# Altium PCB Thunder-Refix.PcbDoc
Units mil, origin at the board's own origin, x right, y up, seen from the top; angles counter-clockwise.
Board outline 1529.4 x 1293.18 mil, 2 copper layers (Top Layer, Bottom Layer), stack 42.17 mil thick; 67 components, 69 nets, 309 pads, 73 vias.
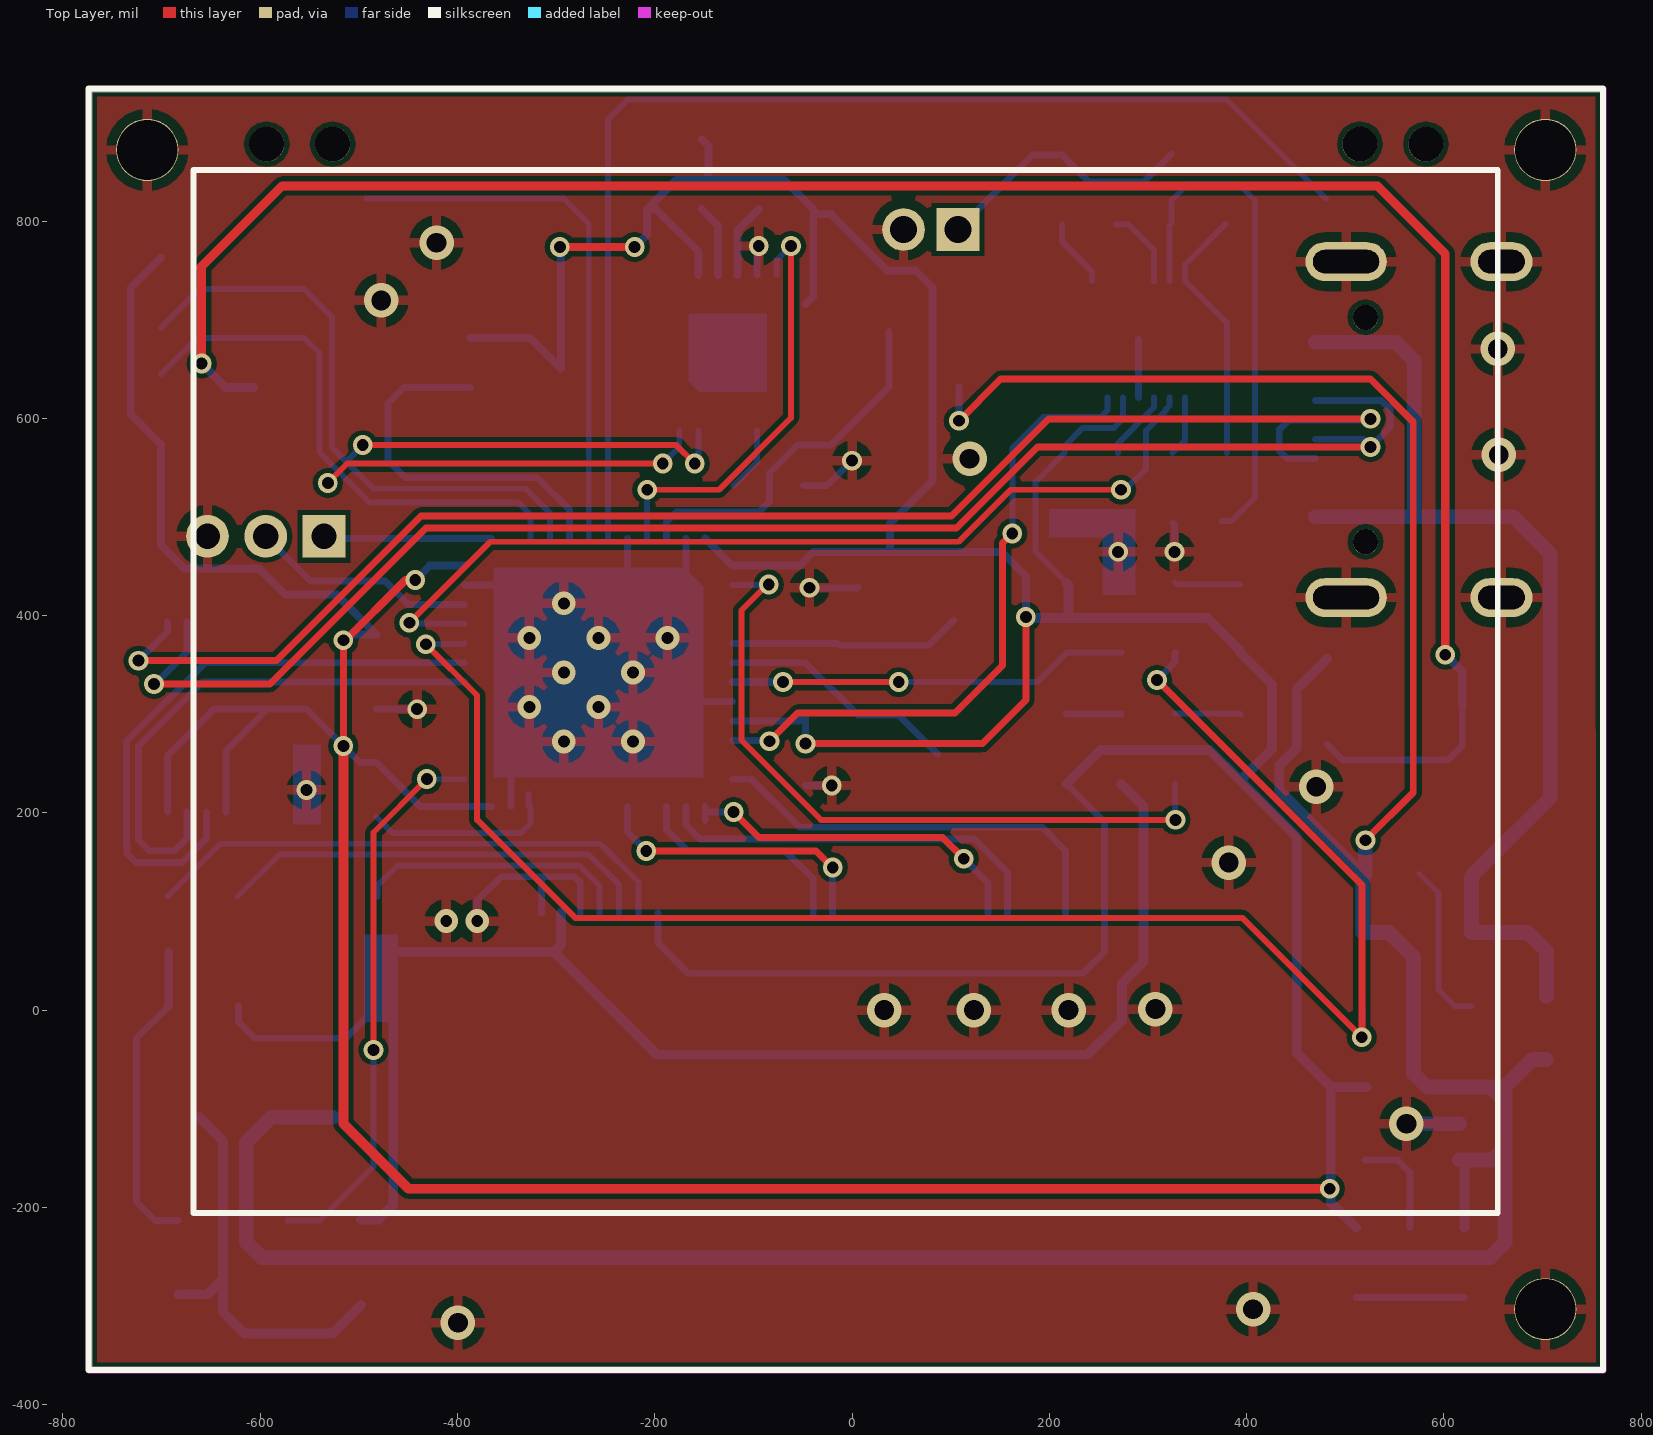
[diagram p0: Top Layer view]
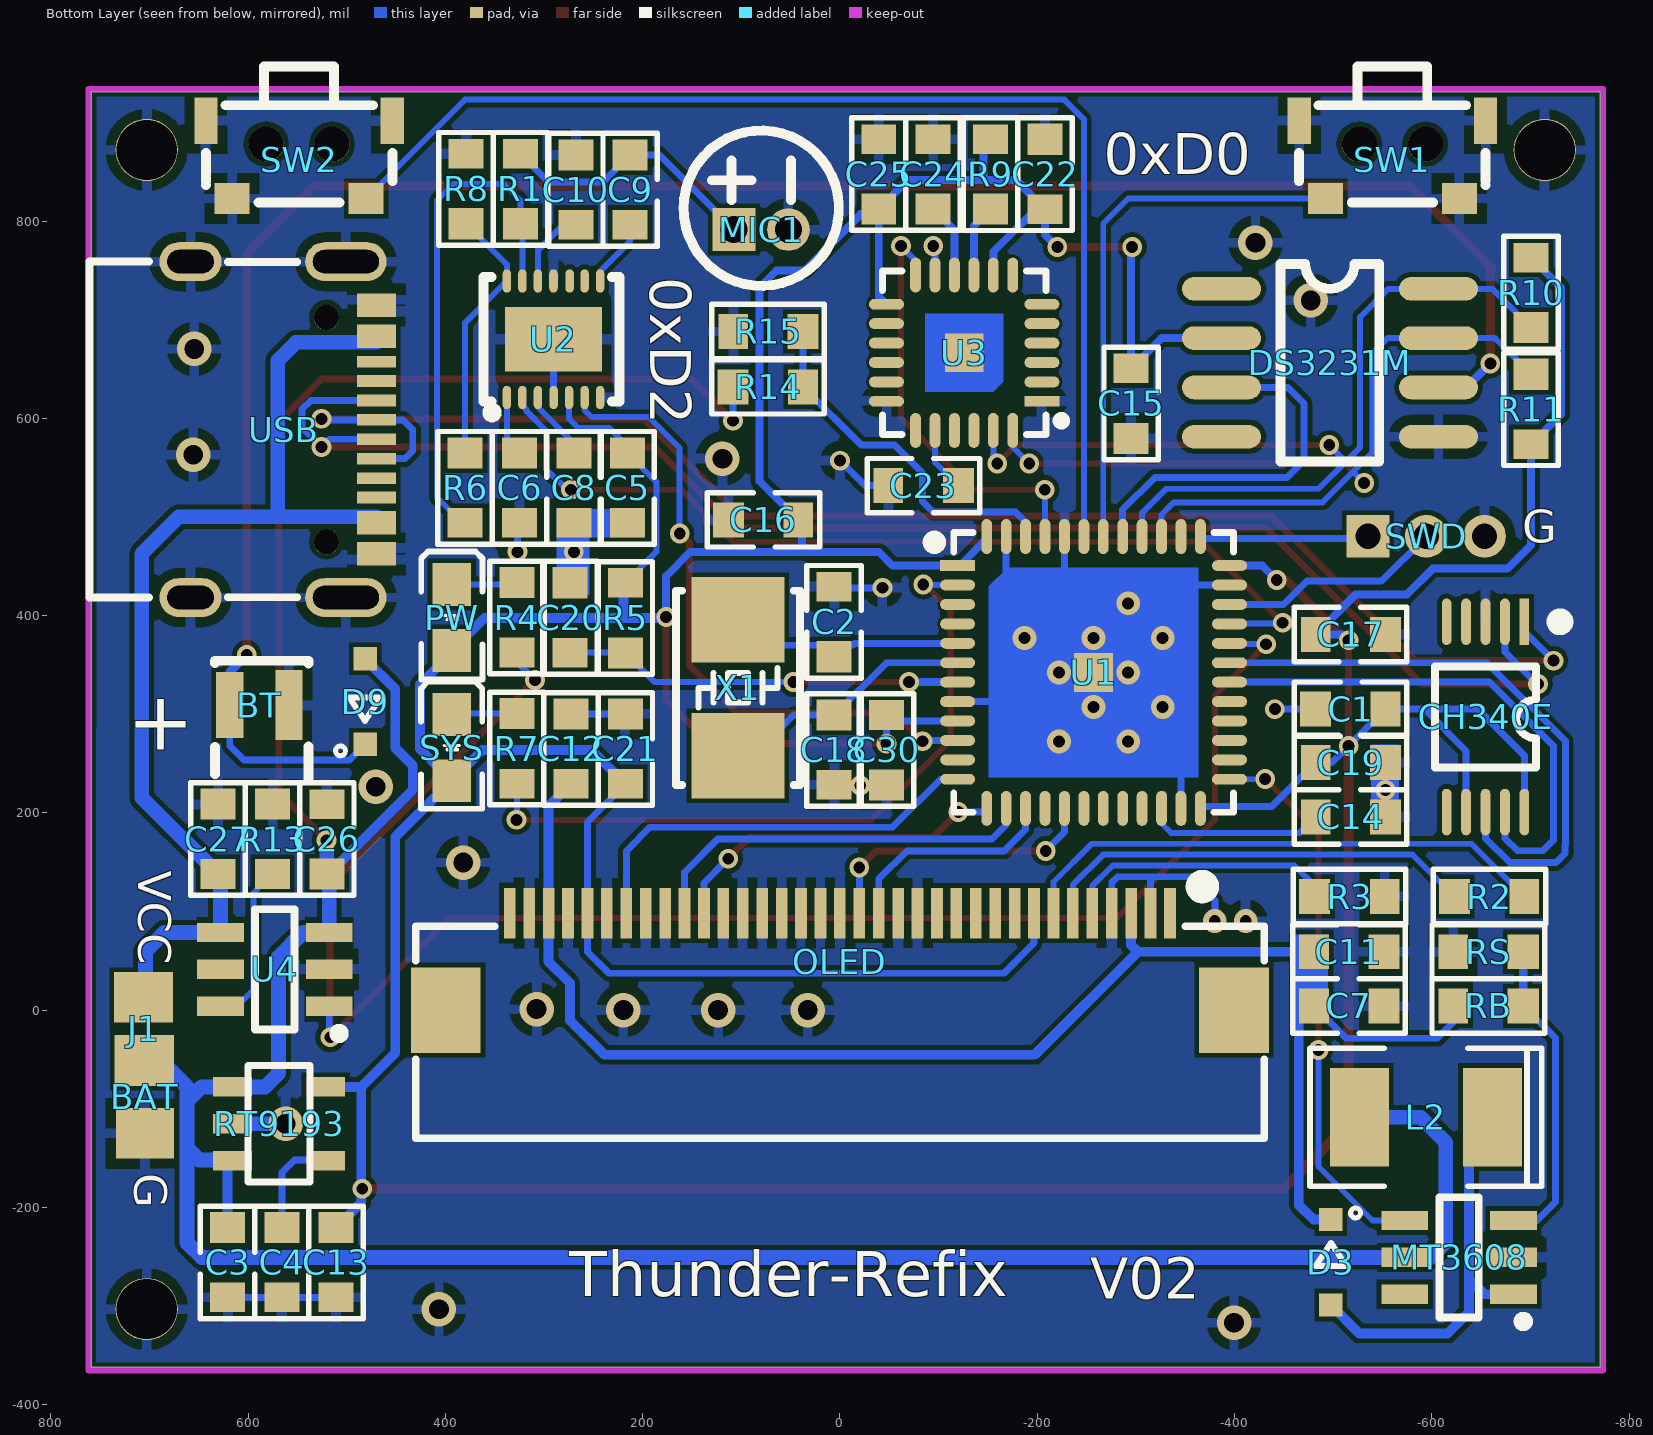
[diagram p1: Bottom Layer view, seen from below]
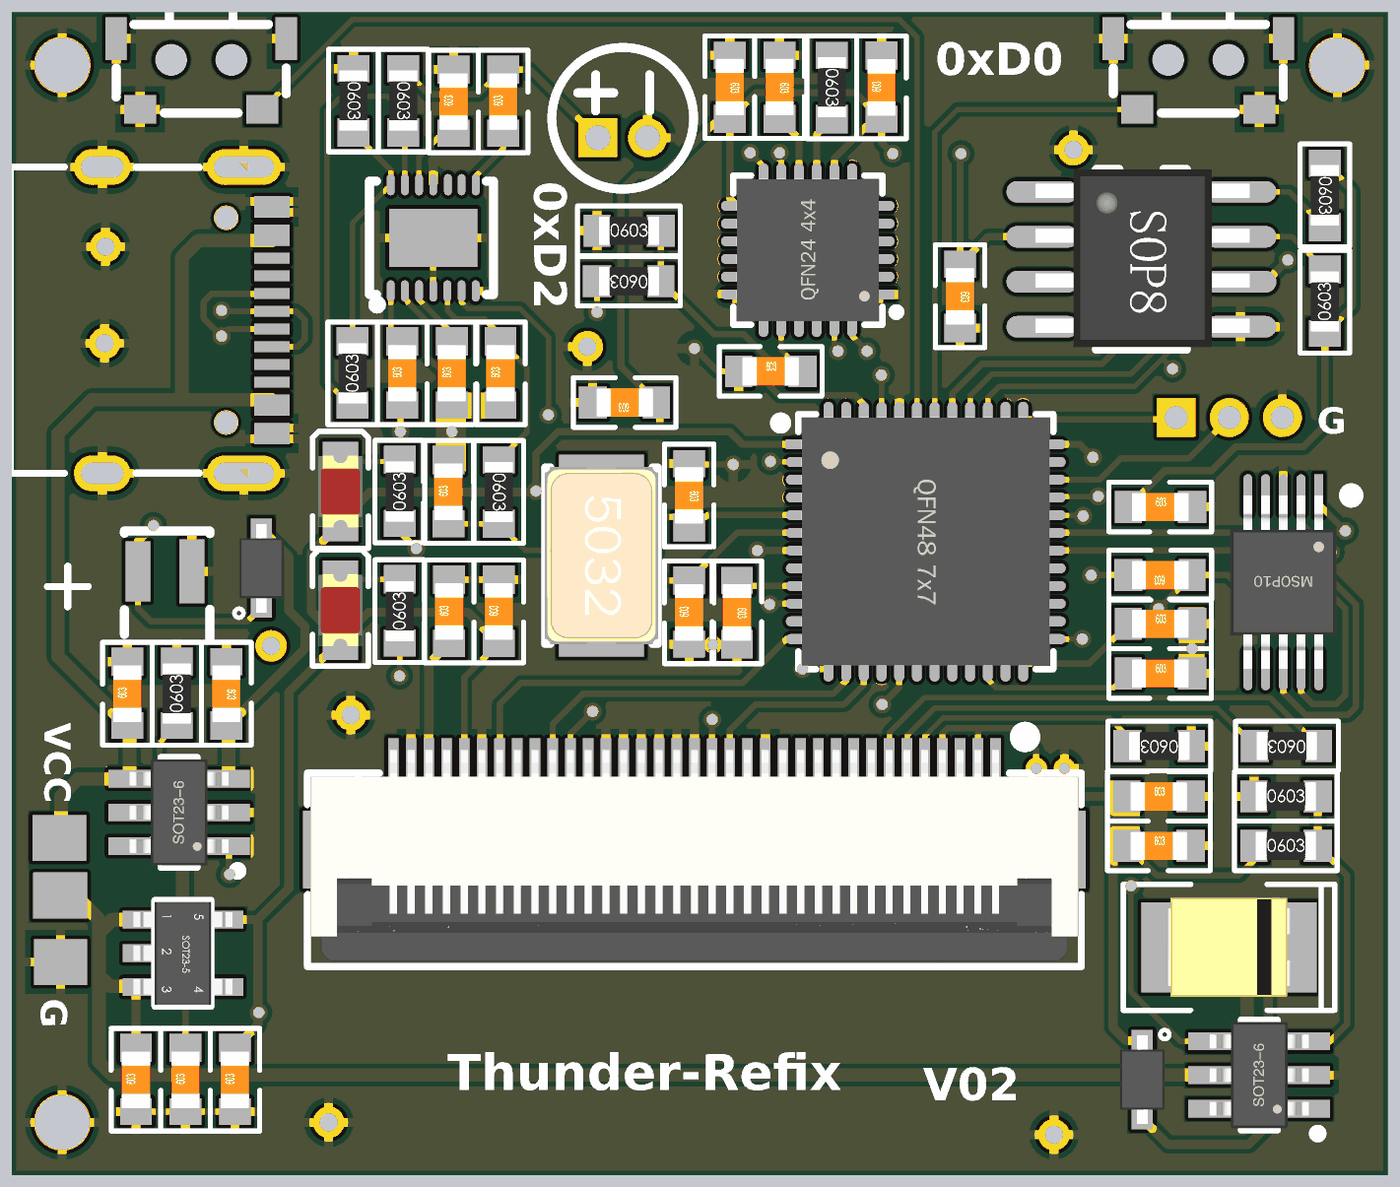
[diagram p2: 3D render of the assembled board from below, using the file's embedded part models]

## Layer stack, top to bottom
Top Solder: solder mask 0.4, Solder Resist, Dk 3.5
Top Layer: signal copper 1.4
Dielectric 1: dielectric 39.3701, FR-4, Dk 4.8
Bottom Layer: signal copper 1.4
Bottom Solder: solder mask 0.4, Solder Resist, Dk 3.5

## Board outline
-770.61,-362.14 -770.61,931.04 758.8,931.04 758.8,-362.14

## Design rules (kind name [scope] priority, off if disabled: settings)
Clearance [All] p1: gap=5 ignorepadtopadclearanceinfootprint=FALSE except(0: Arc-Hole Track-Hole SMDPad-Hole THPad-Hole Via-Hole Fill-Hole Poly-Hole Region-Hole Text-Hole)
ComponentClearance [All] p1 off: gap=10 collisioncheckmode=3 verticalgap=10 showdistances=FALSE
Height [All] p1 off: minheight=0 maxheight=1000 prefheight=500
PolygonConnect [All] p1: connectstyle=Relief reliefconductorwidth=10 reliefentries=4 polygonreliefangle="90 Angle" airgapwidth=10
RoutingVias [All] p1: holewidth=28 width=50 viastyle="Through Hole" minholewidth=28 minwidth=50 maxholewidth=28 maxwidth=50
SolderMaskExpansion [All] p1: expansion=4 istentingtop=FALSE
Width [All] p1: maxlimit=40 minlimit=6 preferedwidth=10 bottomlayer_maxwidth=15 minimp=50.000000 maximp=50.000000 favimp=50.000000
28 further rules are at their usual default settings.

## Components (designator, comment, footprint, x,y, rotation, side; value= is the part's Value field where it differs from the comment)
BAT "Jump" jump1#1 703.66,-79.72 r270 bottom
BT "70mF" MS621FE-FL11E 588.58,167.32 r90 bottom
C1 "0.1u" 0603C -517.72,305.12 r0 bottom
C2 "20P" 0603C 5.91,393.7 r270 bottom
C3 "1uF" 0603C 620.77,-255.84 r90 bottom
C4 "4.7uF" 0603C 565.77,-255.84 r90 bottom
C5 "220nF" 0603c 215.55,529.53 r90 bottom
C6 "100nF" 0603c 324.8,529.53 r90 bottom
C7 "104" 0603C -516.1,4.19 r180 bottom
C8 "220nF" 0603c 269.68,529.53 r90 bottom
C9 "100nF" 0603c 212.6,831.69 r90 bottom
C10 "470nF" 0603c 267.72,831.69 r90 bottom
C11 "4.7uF" 0603C -516.1,59.19 r180 bottom
C12 "4.7uF" 0603C 272.64,264.76 r90 bottom
C13 "104" 0603C 510.77,-255.84 r90 bottom
C14 "4.7u" 0603C -517.67,195.87 r180 bottom
C15 "0.1u" 0603C -295.28,615.16 r270 bottom
C16 "104" 0603C 77.57,497.05 r0 bottom
C17 "104" 0603C -517.72,380.91 r180 bottom
C18 "20P" 0603C 5.91,263.78 r90 bottom
C19 "104" 0603C -517.67,250.98 r180 bottom
C20 "104" 0603C 273.48,397.81 r90 bottom
C21 "105" 0603C 217.52,264.76 r90 bottom
C22 "10nF" 0603C -207.97,847.44 r90 bottom
C23 "2.2nF" 0603C -84.65,531.68 r180 bottom
C24 "100nF" 0603C -94.49,847.62 r270 bottom
C25 "100nF" 0603C -39.37,847.62 r270 bottom
C26 "10uF" 0603c 520.16,173.42 r270 bottom
C27 "1uF" 0603c 630.39,173.42 r90 bottom
C30 "104" 0603C -47.24,263.78 r270 bottom
CH340E "CH340E" MSOP10_L -654.53,297.24 r0 bottom
D3 "SS14" SOD323_1N4148WS -497.77,-255.65 r270 bottom
D9 "SS14" SOD323_1N4148WS 481.3,312.84 r90 bottom
DS3231M "DS3231M" SOP8 -387.8,732.28 r180 bottom
J1 "Jump" jump1#2 704.72,-15.75 r270 bottom
L2 "22uH" 1210-ec -661.42,-108.27 r0 bottom
MIC1 "GMI4015P-2C-56DB" MIC-TH_BD4.0-P2.00-D0.4-L-FD 79.72,791.34 r180 bottom
MT3608 "MT3608" SOT23-6N -627.77,-250.65 r90 bottom
OLED "FPC1.0-35P" "1.69 OLED" 0,49.21 r0 top
PW "白色" 0603LED 393.44,398.01 r90 bottom
R1 "2.2K" 0603r 323.82,832.68 r270 bottom
R2 "10K" 0603R -658.46,115.16 r0 bottom
R3 "68K" 0603R -516.73,115.16 r0 bottom
R4 "3K" 0603R 327.44,398.01 r90 bottom
R5 "10K" 0603R 217.52,397.64 r270 bottom
R6 "150K" 0603r 379.92,529.53 r90 bottom
R7 "3K" 0603R 327.55,265.14 r90 bottom
R8 "100K" 0603r 378.94,832.68 r270 bottom
R9 "0R" 0603R -152.56,847.44 r270 bottom
R10 "4.7K" 0603R -700.79,727.36 r270 bottom
R11 "4.7K" 0603R -700.79,609.25 r90 bottom
R13 "1.5K" 0603r 575.28,173.42 r90 bottom
R14 "50K" 0603r 72.83,631.89 r0 bottom
R15 "50K" 0603r 72.83,687.99 r180 bottom
RB "150K" 0603R -657.32,4.19 r180 bottom
RS "6.8K" 0603R -657.32,59.19 r180 bottom
RT9193 "RT9193-33GB" sot23-5 615.8,-77.83 r90 bottom
SW1 "Button-SMD-4x4x1.5" SW-SMD_TS-1086E-16#1 -560.04,862.2 r180 bottom
SW2 "Button-SMD-4x4x1.5" SW-SMD_TS-1086E-16#2 548.23,862.2 r0 bottom
SWD "HDR-1X3" ZH1.5-LI-3P -594.49,480.32 r180 bottom
SYS "粉色" 0603LED 393.55,266.14 r90 bottom
U1 "STM32F401CCU6" "QFN48 7X7_N" -257.17,342.34 r270 bottom
U2 "MAX9814ETD+T" TDFN-14_L3.0-W3.0-P0.40-BL-EP 290.35,680.12 r180 bottom
U3 "MPU-6050_C24112" "QFN24 4x4_N" -126,666.44 r90 bottom
U4 "TP4059" SOT23-6N 572.83,41.34 r90 bottom
USB "Type-C" Type-C 563.98,588.58 r0 bottom
X1 "1.6.1.01.005.001" "OSC 5032-2P" 103.35,326.77 r270 bottom value=8MHz

## Footprints (in the part's own frame and the unit in brackets; to place one, negate y for a bottom-side part, rotate by r counter-clockwise, add the part's x,y. Pads: shape width x height; smd on the part's side, far side on the other; paste and mask are expansions set on the pad)
"1.69 OLED" [mm]
  rect 1.8x2.2 smd far side: 0(-10.15,-1.248) 0(10.15,-1.248)
  rect 0.3x1.3 smd far side: 1(-8.5,1.248) 2(-8,1.248) 3(-7.5,1.248) 4(-7,1.248) 5(-6.5,1.248) 6(-6,1.248) 7(-5.5,1.248) 8(-5,1.248) 9(-4.5,1.248) 10(-4,1.248) 11(-3.5,1.248) 12(-3,1.248) 13(-2.5,1.248) 14(-2,1.248) 15(-1.5,1.248) 16(-1,1.248) 17(-0.5,1.248) 18(0,1.248) 19(0.5,1.248) 20(1,1.248) 21(1.5,1.248) 22(2,1.248) 23(2.5,1.248) 24(3,1.248) 25(3.5,1.248) 26(4,1.248) 27(4.5,1.248) 28(5,1.248) 29(5.5,1.248) 30(6,1.248) 31(6.5,1.248) 32(7,1.248) 33(7.5,1.248) 34(8,1.248) 35(8.5,1.248)
  silkscreen extent -19.66,-10.52 19.34,22.48, body extent -10.85,-4.4 10.85,1.6, height 2
0603C [mm]
  rect 0.762x0.9 smd: 1(-0.9,0)
  rect 0.8x0.9 smd: 2(0.9,0)
  silkscreen extent -1.45,-0.7 1.45,0.7, body extent -0.8,-0.4 0.8,0.4, height 0.3
0603c [mm]
  rect 0.762x0.9 smd: 1(-0.9,0)
  rect 0.8x0.9 smd: 2(0.9,0)
  silkscreen extent -1.45,-0.7 1.45,0.7, body extent -0.8,-0.4 0.8,0.4, height 0.3
0603LED [mm]
  rect 1.1x1 smd: 1(-0.85,0) 2(0.85,0)
  silkscreen extent -1.6,-0.79 1.7,0.79, body extent -1.01,-0.62 1.01,0.63, height 1.1
0603r [mm]
  rect 0.762x0.9 smd: 1(-0.9,0)
  rect 0.8x0.9 smd: 2(0.9,0)
  silkscreen extent -1.45,-0.7 1.45,0.7, body extent -0.85,-0.4 0.85,0.4, height 0.56
0603R [mm]
  rect 0.762x0.9 smd: 1(-0.9,0)
  rect 0.8x0.9 smd: 2(0.9,0)
  silkscreen extent -1.45,-0.7 1.45,0.7, body extent -0.85,-0.4 0.85,0.4, height 0.56
1210-ec [mil]
  rect 60x100 smd: 1(-0.2,0.32) 2(134.8,0.32)
  silkscreen extent -50,-70 185,70, body extent -1,-55 136,55
jump1#1 [mm]
  rect 1.3x1.5 smd: 1(1.15,-0.023)
  rect 1.3x1.524 smd: 2(-0.73,-0.03)
jump1#2 [mm]
  rect 1.3x1.5 smd: 1(0.897,-0.023)
  rect 1.3x1.524 smd: 2(-0.73,-0.03)
MIC-TH_BD4.0-P2.00-D0.4-L-FD [mm]
  rect 1.1x1.1 hole 0.7: 1(-0.7,0)
  round 1.1 hole 0.7: 2(0.7,0)
  silkscreen extent -2,-1.45 2,2.55
MS621FE-FL11E [mm]
  rect 1.7x0.7 smd: 1(3.605,0.762)
  rect 1.8x0.7 smd: 2(3.605,-0.762)
  silkscreen extent 1.7,-1.27 4.75,1.14
MSOP10_L [mm] "塑封体长3mm，宽3mm，脚距0.5"
  rect 0.25x1.2 smd: 1(-1,-2.45)
  oval 0.25x1.2 smd: 2(-0.5,-2.45) 3(0,-2.45) 4(0.5,-2.45) 5(1,-2.45) 6(1,2.45) 7(0.5,2.45) 8(0,2.45) 9(-0.5,2.45) 10(-1,2.45)
  silkscreen extent -2.07,-2.6 1.3,1.3, body extent -1.5,-2.45 1.5,2.45, height 0.95
"OSC 5032-2P" [mm] "5mm*3.2mm*0.8mm(长*宽*高)"
  rect 2.2x2.4 smd: 1(-1.75,0) 2(1.75,0)
  silkscreen extent -2.5,-1.6 2.5,1.6, body extent -2.5,-1.6 2.5,1.6, height 0.86
"QFN24 4x4_N" [mm] "24脚，长x宽x高：4x4x1mm，脚距：0.5mm"
  rect 0.28x0.9 smd: 1(-1.25,-2)
  oval 0.28x0.9 smd: 2(-0.75,-2) 3(-0.25,-2) 4(0.25,-2) 5(0.75,-2) 6(1.25,-2) 13(1.25,2) 14(0.75,2) 15(0.25,2) 16(-0.25,2) 17(-0.75,2) 18(-1.25,2)
  oval 0.9x0.28 smd: 7(2,-1.25) 8(2,-0.75) 9(2,-0.25) 10(2,0.25) 11(2,0.75) 12(2,1.25) 19(-2,1.25) 20(-2,0.75) 21(-2,0.25) 22(-2,-0.25) 23(-2,-0.75) 24(-2,-1.25)
  rect 1x1 smd: 25(0,0)
  Top Layer region: -1,1 1,1 1,-1 -0.75,-1 -1,-0.75
  silkscreen extent -2.11,-2.6 2.11,2.11, body extent -2.01,-2.01 2.01,2.01, height 0.95
"QFN48 7X7_N" [mm] "48脚，长x宽x高：7x7x1mm，脚距：0.5mm"
  rect 0.28x0.9 smd: 1(-2.75,-3.5)
  oval 0.28x0.9 smd: 2(-2.25,-3.5) 3(-1.75,-3.5) 4(-1.25,-3.5) 5(-0.75,-3.5) 6(-0.25,-3.5) 7(0.25,-3.5) 8(0.75,-3.5) 9(1.25,-3.5) 10(1.75,-3.5) 11(2.25,-3.5) 12(2.75,-3.5) 25(2.75,3.5) 26(2.25,3.5) 27(1.75,3.5) 28(1.25,3.5) 29(0.75,3.5) 30(0.25,3.5) 31(-0.25,3.5) 32(-0.75,3.5) 33(-1.25,3.5) 34(-1.75,3.5) 35(-2.25,3.5) 36(-2.75,3.5)
  oval 0.9x0.28 smd: 13(3.5,-2.75) 14(3.5,-2.25) 15(3.5,-1.75) 16(3.5,-1.25) 17(3.5,-0.75) 18(3.5,-0.25) 19(3.5,0.25) 20(3.5,0.75) 21(3.5,1.25) 22(3.5,1.75) 23(3.5,2.25) 24(3.5,2.75) 37(-3.5,2.75) 38(-3.5,2.25) 39(-3.5,1.75) 40(-3.5,1.25) 41(-3.5,0.75) 42(-3.5,0.25) 43(-3.5,-0.25) 44(-3.5,-0.75) 45(-3.5,-1.25) 46(-3.5,-1.75) 47(-3.5,-2.25) 48(-3.5,-2.75)
  rect 1x1 smd mask+0.051: 49(0,0)
  Top Layer region: -2.7,2.7 2.7,2.7 2.7,-2.7 -2.214,-2.7 -2.7,-2.214
  silkscreen extent -3.6,-4.25 3.6,3.6, body extent -3.51,-3.51 3.51,3.51, height 0.95
SOD323_1N4148WS [mm]
  rect 0.6x0.6 smd: A(1.1,0) C(-1.1,0)
  silkscreen extent -1.4,-0.4 0.1,0.76, body extent -1.25,-0.62 1.25,0.63, height 0.9
SOP8 [mil]
  oval 80x24 smd: 1(-1,-1) 2(-1,-51) 3(-1,-101) 4(-1,-151) 5(219,-151) 6(219,-101) 7(219,-51) 8(219,-1)
  silkscreen extent 59,-176 159,24, body extent -9,-174 229,24, height 63
sot23-5 [mm]
  rect 0.5x1 smd: 1(0,0) 2(-0.95,0) 3(-1.9,0) 4(-1.9,-2.4) 5(0,-2.4)
  silkscreen extent -2.45,-2 0.55,-0.4, body extent -2.4,-2.6 0.5,0.2, height 1.09
SOT23-6N [mm] "3x1.6x1.1mm(长宽高)"
  rect 0.5x1.2 smd: 1(-0.95,-1.4) 2(0,-1.4) 3(0.95,-1.4) 4(0.95,1.4) 5(0,1.4) 6(-0.95,1.4)
  silkscreen extent -1.78,-1.78 1.55,0.51, body extent -1.5,-1.4 1.5,1.4, height 1.15
SW-SMD_TS-1086E-16#1 [mm] "侧立贴片3*6*4.3"
  rect 0.9x0.8 smd: 1(1.725,-1) 2(-1.725,-1)
  rect 0.6x1.2 smd: 3(-2.4,1) 4(2.4,1)
  round 0.9 hole 0.9 unplated: ""(-0.85,0.4) ""(0.85,0.4)
  silkscreen extent -2.4,-1.1 2.4,2.4
SW-SMD_TS-1086E-16#2 [mm] "侧立贴片3*6*4.3"
  rect 0.9x0.8 smd: 1(1.725,1) 2(-1.725,1)
  rect 0.6x1.2 smd: 3(-2.4,-1) 4(2.4,-1)
  round 0.9 hole 0.9 unplated: ""(-0.85,-0.4) ""(0.85,-0.4)
  silkscreen extent -2.4,-2.4 2.4,1.1
TDFN-14_L3.0-W3.0-P0.40-BL-EP [mm]
  oval 0.22x0.6 smd: 1(-1.2,-1.5) 2(-0.8,-1.5) 3(-0.4,-1.5) 4(0.001,-1.5) 5(0.4,-1.5) 6(0.8,-1.5) 7(1.2,-1.5) 8(1.2,1.5) 9(0.8,1.5) 10(0.416,1.5) 11(0,1.5) 12(-0.4,1.5) 13(-0.8,1.5) 14(-1.2,1.5)
  rect 2.5x1.65 smd: 15(0,0)
  silkscreen extent -1.8,-2.01 1.7,1.6
Type-C [mm]
  round 0.65 hole 0.65: 0(-1.105,-2.89) 0(-1.105,2.89)
  oval 1.6x1 hole 0.6 slot 1.2 at 0 deg: 1(2.395,4.325) 2(2.395,-4.325)
  oval 2.1x1 hole 0.6 slot 1.7 at 0 deg: 3(-1.605,-4.325) 4(-1.605,4.325)
  rect 1x0.3 smd: A1(-2.395,-3.35) A4(-2.395,-2.55) A5(-2.395,-1.25) A6(-2.395,-0.25) A7(-2.395,0.25) A8(-2.395,1.25) A9(-2.395,2.55) A12(-2.395,3.35) B1(-2.395,3.05) B4(-2.395,2.25) B5(-2.395,1.75) B6(-2.395,0.75) B7(-2.395,-0.75) B8(-2.395,-1.75) B9(-2.395,-2.25) B12(-2.395,-3.05)
  silkscreen extent -0.34,-4.33 4.99,4.33
ZH1.5-LI-3P [mm] "长：6.0，宽：3.65，高：4.55"
  rect 1.1x1.1 hole 0.65: 1(-1.5,0)
  round 1.1 hole 0.65: 2(0,0) 3(1.5,0)

## Part data
BAT J1: "跳线", BOM名称=跳线, 学习资源=www.ooocke.com, 版权归属=源创客
BT: BOM_Manufacturer=KORCHIP, BOM_Manufacturer Part=SM3R3703T01, BOM_Supplier=LCSC, BOM_Supplier Part=C132600, Contributor=LCSC, nameAlias=Capacitance, spicePre=C, spiceSymbolName=SM3R3703T01
C2 C3 C4 C7 C11 C12 C13 C16 C17 C18 C19 C20 C21 C30: library part 电容
C5 C8: BOM_Manufacturer="Murata Electronics", BOM_Manufacturer Part=GCJ21BR71H224KA01L, BOM_Supplier=LCSC, BOM_Supplier Part=C354366, Contributor=LCSC, nameAlias=Capacitance, spicePre=C, spiceSymbolName=GCJ21BR71H224KA01L
C6 C9: BOM_Manufacturer=AVX, BOM_Manufacturer Part=FS055C104K4Z2A, BOM_Supplier=LCSC, BOM_Supplier Part=C444732, Contributor=LCSC, nameAlias=Capacitance, spicePre=C, spiceSymbolName=FS055C104K4Z2A
C10: BOM_LCSC Assembly=Yes, BOM_Manufacturer=SAMSUNG, BOM_Manufacturer Part=CL21B474KBFNNNE, BOM_Supplier=LCSC, BOM_Supplier Part=C13967, nameAlias=Capacitance, SMT Type=Basic, spicePre=C, spiceSymbolName=CL21B474KBFNNNE
C22: BOM_LCSC Assembly=Yes, BOM_Manufacturer=FH, BOM_Manufacturer Part=0603B103K500NT, BOM_Supplier=LCSC, BOM_Supplier Part=C57112, nameAlias=Capacitance, SMT Type=Basic, spicePre=C, spiceSymbolName=0603B103K500NT
C23: BOM_LCSC Assembly=Yes, BOM_Manufacturer=FH, BOM_Manufacturer Part=0603B222K500NT, BOM_Supplier=LCSC, BOM_Supplier Part=C1604, nameAlias=Capacitance, SMT Type=Basic, spicePre=C, spiceSymbolName=0603B222K500NT
C24 C25: BOM_LCSC Assembly=Yes, BOM_Manufacturer=SAMSUNG, BOM_Manufacturer Part=CL05B104KO5NNNC, BOM_Supplier=LCSC, BOM_Supplier Part=C1525, nameAlias=Capacitance, SMT Type=Basic, spicePre=C, spiceSymbolName=CL05B104KO5NNNC
C26: BOM_Manufacturer="Murata Electronics", BOM_Manufacturer Part=GRM21BB31C106KE15L, BOM_Supplier=LCSC, BOM_Supplier Part=C162317, Contributor=LCSC, nameAlias=Capacitance, spicePre=C, spiceSymbolName=GRM21BB31C106KE15L
C27: BOM_Manufacturer="Taiyo Yuden", BOM_Manufacturer Part=UMK212BJ105KG-T, BOM_Supplier=LCSC, BOM_Supplier Part=C319195, Contributor=LCSC, nameAlias=Capacitance, spicePre=C, spiceSymbolName=UMK212BJ105KG-T
D3 D9: library part 1N4148WS, "Diode Switching 75V 0.3A 2-Pin SOD-323 T/R", Package="S-0 Good-Ark", Availability=Unavailable, MF="ON Semiconductor", MP=1N4148WS, Price=None, SnapEDA_Link=https://www.snapeda.com/parts/1N4148WS/ON%20Semiconductor/view-part/?ref=snap
L2: library part L-CDRH, "功率屏蔽电感", BOM名称=功率屏蔽电感, 学习资源=www.ooocke.com, 版权归属=源创客
MIC1: BOM_Manufacturer=INGHAi, BOM_Manufacturer Part=GMI4015P-2C-56db, BOM_Supplier=LCSC, BOM_Supplier Part=C233299, Contributor=LCSC, spicePre=M, spiceSymbolName=GMI4015P-2C-56DB
MT3608: library part SX1308, "可调升压芯片", BOM名称=可调升压芯片, 学习资源=www.ooocke.com, 版权归属=源创客
OLED: library part FPC-35P, "FPC连接器", BOM名称=FPC连接器, 学习资源=www.ooocke.com, 版权归属=源创客
PW SYS: library part LED-F234, "方形LED", BOM名称=方形LED, 学习资源=www.ooocke.com, 版权归属=源创客
R1: BOM_Manufacturer=Tyohm, BOM_Manufacturer Part=RMC08052.2K1%N, BOM_Supplier=LCSC, BOM_Supplier Part=C325769, Contributor=LCSC, nameAlias="Resistance (Ohms)", spicePre=R, spiceSymbolName=RMC08052.2K1%N
R2 R3 R4 R5 R7 R9 R10 R11 RB RS: library part R, "贴片电阻", BOM名称=贴片电阻, 学习资源=www.ooocke.com, 版权归属=源创客
R6: BOM_Manufacturer=Tyohm, BOM_Manufacturer Part=RMC0805150K1%N, BOM_Supplier=LCSC, BOM_Supplier Part=C325765, Contributor=LCSC, nameAlias="Resistance (Ohms)", spicePre=R, spiceSymbolName=RMC0805150K1%N
R8: BOM_LCSC Assembly=Yes, BOM_Manufacturer="Stackpole Elec", BOM_Manufacturer Part=RTAN0805BKE100K, BOM_Supplier=LCSC, BOM_Supplier Part=C346756, Contributor=LCSC, nameAlias="Resistance (Ohms)", SMT Type=Extend, spicePre=R, spiceSymbolName=RTAN0805BKE100K
R13: BOM_Manufacturer=YAGEO, BOM_Manufacturer Part=RC0603FR-071K5L, BOM_Supplier=LCSC, BOM_Supplier Part=C114668, nameAlias="Resistance (Ohms)", spicePre=R, spiceSymbolName=RC0603FR-071K5L
R14 R15: library part 1.5K, BOM_Manufacturer=YAGEO, BOM_Manufacturer Part=RC0603FR-071K5L, BOM_Supplier=LCSC, BOM_Supplier Part=C114668, nameAlias="Resistance (Ohms)", spicePre=R, spiceSymbolName=RC0603FR-071K5L
RT9193: "RT9193 Series 300 mA 3.3 V Ultra-Low Noise Ultra-Fast CMOS LDO Regulator-SC-70-5", Package="SOT-23-5 Richtek", Availability=Unavailable, MF="Richtek USA", MP=RT9193-33GB, Price=None, SnapEDA_Link=https://www.snapeda.com/parts/RT9193-33GB/Richtek%20USA%20Inc./view-part/?ref=snap
SW1 SW2: BOM_Manufacturer=BBJ, BOM_Manufacturer Part="4*4*1.5Copper head,260G, 0.25mm,", BOM_Supplier=LCSC, BOM_Supplier Part=C71830, spicePre=S, spiceSymbolName=Button-SMD-4x4x1.5
SWD: library part "Header 3", "3P接插件", BOM名称=3P接插件, 学习资源=www.ooocke.com, 版权归属=源创客
U1: BOM_Manufacturer=ST, BOM_Manufacturer Part=STM32F401CCU6, BOM_Supplier=LCSC, BOM_Supplier Part=C79861, spicePre=U, spiceSymbolName=STM32F401CCU6, subpart_no=1, tags=STM32
U2: BOM_Manufacturer=MAXIM, BOM_Manufacturer Part=MAX9814ETD+T, BOM_Supplier=LCSC, BOM_Supplier Part=C41714, image=//image.lceda.cn/szlcsc/C41714.jpg, spicePre=U, spiceSymbolName=MAX9814ETD+T
U3: BOM_LCSC Assembly=Yes, BOM_Manufacturer=InvenSense, BOM_Manufacturer Part=MPU-6050, BOM_Supplier=LCSC, BOM_Supplier Part=C24112, image=//image.lceda.cn/szlcsc/C24112.jpg, SMT Type=Basic, sourceId=1T5FDZYC8, spicePre=U, spiceSymbolName=MPU-6050_C24112, timeStamp=1462265206
U4: BOM_LCSC Assembly=Yes, BOM_Manufacturer=TOPPOWER, BOM_Manufacturer Part=TP4059, BOM_Supplier=LCSC, BOM_Supplier Part=C80364, SMT Type=Extend, spicePre=U, spiceSymbolName=TP4059
X1: "XTAL,8MHz,±20PPM,12.6*4.5", K3 No.=1.6.1.01.005.001
C1 C14 C15: Contributor=LCEDA_Lib, nameAlias=Value(F), spicePre=C, spiceSymbolName=C_0402_US

## Free pads (board coordinates)
  round 63 hole 61: 0(-714.57,872.05) 0(702.76,872.05) 0(702.76,-303.15)

## Via types
v1: diameter 20, hole 12, Top Layer to Bottom Layer, tented both sides, 47 vias
v2: diameter 35, hole 20, Top Layer to Bottom Layer, 14 vias
v3: diameter 24, hole 12, Top Layer to Bottom Layer, 12 vias

## Nets (pads, with @x,y where several pads share a name; then routed paths per layer and width w, separated by ;. In a path a pad name is that pad's centre, name@x,y a point inside that pad or via, vN(x,y) a via of type N, cw(c..) or ccw(c..) an arc to the next point about the centre after c; other vN are vias at no path point)
3.3: C1.1 C5.2 C13.2 C15.1 C16.1 C17.1 C19.1 C21.1 C22.1 C25.2 C30.1 CH340E.7 CH340E.10 DS3231M.2 OLED.8 OLED.31 PW.1 R5.1 R9.1 R10.1 R11.1 RT9193.5 SYS.1 U1.1 U1.9 U1.24 U1.36 U1.48 U2.5 U3.8 U3.13 | length 7005.1
  Top Layer w7: v1(-515.75,267.72) -515.75,373.03 v1(-515.75,375) ; v1(-47.24,270.17) 132.01,270.17 176.18,314.34 v1(176.18,398.62)
  Top Layer w8: v1@-515.75,373.03 -452.76,436.02 v1(-442.91,436.02) ; v1(-296.26,773.62) v1(-220.47,773.62)
  Top Layer w10: v1(-515.75,267.72) -515.75,-115.16 -449.8,-181.1 v1(484.25,-181.1)
  Bottom Layer w6: R5.1 186.02,464.57 186.02,514.76 186.02,535.43 C5.2 215.55,571.85 233.95,590.25 265.45,590.25 274.6,599.41 U2.5
  Bottom Layer w7: CH340E.10 -693.9,257.87 -646.65,305.12 -592.52,305.12 ; CH340E.7 -634.84,262.8 -592.52,305.12 ; U1.24@-365.47,206.54 -437.8,206.54 C19.1 -499.02,250.98 C1.1 -592.52,305.12 ; OLED.8 -196.85,67.91 -166.34,37.4 234.25,37.4 255.91,59.06 OLED.31 255.91,190.94 C21.1 ; U1.9@-121.37,293.14 -53.31,293.14 C30.1 v1(-47.24,270.17)
  Bottom Layer w8: R10.1 -731.3,732.28 -731.3,604.33 R11.1 -700.79,471.65 -676.98,447.83 -601.38,447.83 -574.8,421.26 -522.64,421.26 C17.1 -509.84,380.91 v1(-515.75,375) ; v1(-442.91,436.02) -428.29,450.64 U1.36@-392.97,450.64 ; DS3231M.2 -325.97,681.28 C15.1 -295.28,772.64 v1(-296.26,773.62) ; v1(-220.47,773.62) -207.97,786.13 C22.1 ; U3.8 -155.52,768.71 -198.82,812.01 C22.1 ; R9.1 -145.67,875.98 -145.67,841.54 ; U1.48@-148.87,478.14 -121.37,450.64 -53.29,450.64 -39.37,464.57 38.39,464.57 ; U3.13 -39.37,723.53 C25.2@-39.37,807.27 ; v1(176.18,398.62) 176.18,439.96 151.57,464.57 38.39,464.57 ; C22.1 -178.44,841.54 -145.67,841.54 ; -145.67,841.54 -68.72,841.54 C25.2 C25.2@-39.37,807.27 ; C25.2@-39.37,807.27 -20.85,807.27 -20.85,806.28 35.43,750 64.13,750 81.69,732.44 81.69,536.6 C16.1 38.39,493.3 38.39,464.57
  Bottom Layer w10: v1(176.18,398.62) 177.17,397.64 219.49,397.64 ; C21.1 251.97,263.78 362.44,263.78 SYS.1 ; R5.1 219.49,431.1 219.49,397.64 ; C13.2 485.24,-194.87 485.24,-181.1 485.24,-78.74 486.15,-77.83 ; RT9193.5 486.15,-77.83 ; 219.49,397.64 360.35,397.64 PW.1 393.44,362.58 425.79,330.22 425.79,264.92 SYS.1 ; SYS.1 450.79,175.43 450.79,-43.38 485.24,-77.83 486.15,-77.83
5V: C27.1 J1.2 U4.4 USB.A4 USB.A9 USB.B4 USB.B9 | length 1067
  Bottom Layer w15: USB.B4 469.69,500.1 568.9,500.1 ; USB.B9 469.69,677.07 551.28,677.07 569.88,658.46 569.88,501.08 568.9,500.1 ; J1.2@703.94,13.98 703.94,59.84 685.04,78.74 U4.4 627.95,135.54 C27.1 707.68,215.27 707.68,462.6 670.18,500.1 568.9,500.1
AR: U2.9
BAT: BAT.2 C3.2 C26.2 D9.A J1.1 L2.2 MT3608.5 R14.2 RT9193.1 RT9193.3 U4.3 | length 3450
  Top Layer w7: v1(108.27,597.44) 150.59,639.76 525.59,639.76 568.9,596.46 568.9,220.67 v1(520.47,172.24)
  Bottom Layer w7: v1(108.27,597.44) R14.2
  Bottom Layer w10: D9.A 450.79,325.64 450.79,265.75 433.07,248.03 433.07,223.1 518.19,137.98 C26.2 ; RT9193.3@615.8,-151.85 620.77,-156.81 C3.2
  Bottom Layer w15: L2.2 -588.75,-108.59 -614.17,-134.01 -614.17,-235.24 -598.76,-250.65 MT3608.5 646.99,-250.65 661.91,-235.73 661.91,-139.7 ; v1(520.47,172.24) 520.16,171.93 C26.2 517.72,135.54 U4.3 544.29,78.74 569,54.04 569,-64.07 582.75,-77.83 RT9193.1 647.22,-77.83 661.91,-92.52 ; RT9193.3@615.8,-151.85 649.76,-151.85 661.91,-139.7 ; BAT.2@703.66,-50.09 689.64,-50.09 661.91,-77.83 661.91,-92.52 ; 661.91,-139.7 661.91,-92.52
BATDET: R14.1 R15.2 U1.46 | length 372
  Bottom Layer w7: U1.46@-188.27,478.14 -188.27,494.8 -178.15,504.92 -94.49,504.92 -83.66,515.75 -83.66,544.41 -55.24,572.83 -21.65,572.83 R14.1 R15.2
CHGLED: R4.1 U1.32 U4.1 | length 1742.9
  Top Layer w6: v1(-432.12,370.93) -380.08,318.89 -380.08,192.91 -280.67,93.5 -228.35,93.5 395.67,93.5 v1(516.73,-27.56)
  Top Layer w7: v1(309.06,334.65) 516.73,126.97 v1(516.73,-27.56)
  Bottom Layer w6: v1(-432.12,370.93) -431.66,371.39 -393.42,371.39 U1.32@-392.97,371.84
  Bottom Layer w7: v1(309.06,334.65) 327.44,353.03 R4.1 ; v1(516.73,-27.56) 517.72,-26.57 U4.1
D+: CH340E.1 USB.A6 USB.B6 | length 1560.7
  Top Layer w7: v1(-723.43,354.33) -583.66,354.33 -437.01,500.98 100.9,500.98 199.33,599.41 v1(525.59,599.41)
  Bottom Layer w7: v1(-723.43,354.33) -693.9,383.86 CH340E.1 ; USB.B6 440.94,559.06 433.07,566.93 433.07,588.58 442.91,598.43 USB.A6 524.61,598.43 v1(525.59,599.41)
D-: CH340E.2 USB.A7 USB.B7 | length 1595.2
  Top Layer w7: v1(-707.68,330.71) -590.31,330.71 -432.04,488.98 105.87,488.98 187.75,570.87 v1(525.59,570.87)
  Bottom Layer w7: v1(-707.68,330.71) -706.59,330.71 -674.21,363.09 CH340E.2 ; USB.A7 517.72,578.74 v1(525.59,570.87) 545.28,590.55 545.28,609.25 536.42,618.11 USB.B7
DSINT: DS3231M.3 U1.41 | length 382
  Bottom Layer w7: DS3231M.3 -454.35,631.28 -470.47,615.16 -470.47,557.09 -453.43,540.04 -319.39,540.04 -286.67,507.32 U1.41@-286.67,478.14
DSSCL: DS3231M.8 R10.2 U1.40 U3.23 | length 1011.4
  Top Layer w6: v1(-496.06,572.83) -178.15,572.83 v1(-159.45,554.13)
  Bottom Layer w6: R10.2 -661.43,731.28 DS3231M.8 -555.99,731.28 -527.46,702.76 -527.46,570.73 -512.8,556.06 -485.28,528.54 -330.71,528.54 -306.37,504.2 U1.40@-306.37,478.14 ; -512.8,556.1 v1(-496.06,572.83) ; v1(-159.45,554.13) -155.52,558.06 U3.23
DSSDA: DS3231M.7 R11.2 U1.39 U3.24 | length 951.6
  Top Layer w6: v1(-531.5,534.45) -511.81,554.13 v1(-191.93,554.13)
  Bottom Layer w6: R11.2 -664.19,681.28 DS3231M.7 -555.12,681.28 -539.96,666.13 -539.96,565.55 -520.67,546.26 ; v1(-531.5,534.45) -520.67,545.28 -520.67,546.26 ; U1.39@-326.07,478.14 -326.07,502.25 -338.58,514.76 -489.17,514.76 -520.67,546.26 ; v1(-191.93,554.13) -175.21,570.85 U3.24
Gain: U2.10
GND: BAT.1 BT.2 C1.2 C2.1 C3.1 C4.1 C5.1 C6.1 C7.2 C8.1 C10.2 C11.2 C12.2 C13.1 C14.2 C15.2 C16.2 C17.2 C18.1 C19.2 C20.2 C21.2 C22.2 C23.1 C24.1 C25.1 C26.1 C27.2 C30.2 CH340E.3 DS3231M.5 MIC1.2 MT3608.2 OLED.2 OLED.4 OLED.14 OLED.15 OLED.18 OLED.19 OLED.20 OLED.21 OLED.22 OLED.23 OLED.24 OLED.27 OLED.28 OLED.30 OLED.32 OLED.34 pad.0 R3.1 R8.1 R13.2 R15.1 RS.1 RT9193.2 SW1.1 SW1.3 SW1.4 SW2.1 SW2.3 SW2.4 SWD.3 U1.8 U1.23 U1.35 U1.44 U1.47 U1.49 U2.4 U2.7 U2.11 U2.15 U3.1 U3.11 U3.18 U4.2 USB.1 USB.2 USB.3 USB.4 USB.A1 USB.A12 USB.B1 USB.B12 | length 1494.5
  Bottom Layer w7: C1.2 v1(-440.94,305.12) ; U1.35@-392.97,430.94 -345.77,430.94 U1.49 ; v3(-380.08,90.27) -380.08,110.93 -355.83,135.17 -318.24,135.17 ; U1.23@-345.77,206.54 -345.77,253.74 U1.49 ; OLED.2 -314.96,131.89 -318.24,135.17 ; OLED.4 -275.59,129.41 -281.36,135.17 -318.24,135.17 ; U1.44@-227.67,478.14 -227.67,371.84 ; U1.47@-168.57,478.14 -168.57,430.94 -227.67,371.84 ; U1.8@-121.37,312.84 -227.67,312.84 U1.49 ; U3.11 -96.47,772.78 v1(-94.65,774.61) ; C23.1 -25.41,531.68 v1(0,557.09) ; C30.2 -46.64,227.74 v1(-20.67,227.74) ; v1(-43.15,428.15) 4.92,428.15 C2.1 ; C21.2 C12.2 ; U2.4 290.3,680.08 U2.15 ; C6.1 326.77,492.13 v1(326.77,464.57) ; C13.1 C4.1 C3.1 ; U1.49 -227.67,371.84
  Bottom Layer w15: v2(562.01,-115.23) RT9193.2
  other v1: -553.15,223.27 269.68,464.57
  other v2: -399.61,-316.93 406.5,-303.15 32.48,0.06 123.48,0.06 219.48,0.06 307.48,1.06 381.89,149.61 470.56,226.47 119.09,559.06 655.51,562.99 654.53,670.28 -477.36,719.49 -421.28,777.96
  other v3: -411.42,90.27 -292.17,272.34 -222.17,272.34 -327.17,307.34 -257.17,307.34 -292.17,342.34 -222.17,342.34 -327.17,377.34 -257.17,377.34 -187.17,377.34 -292.17,412.34
INT: U1.45 U3.12 | length 435.2
  Top Layer w6: v1(-207.68,527.56) -134.84,527.56 -61.89,600.51 v1(-61.89,774.61)
  Bottom Layer w6: U1.45@-207.97,478.14 -207.97,527.27 v1(-207.68,527.56) ; U3.12 -76.78,759.72 v1(-61.89,774.61)
MICSHUTDN: U1.33 U2.2 | length 950.1
  Top Layer w6: v1(-448.82,392.74) -366.76,474.8 107.95,474.8 160.71,527.56 v1(272.64,527.56)
  Bottom Layer w6: v1(-448.82,392.74) -448.23,392.15 -393.57,392.15 U1.33@-392.97,391.54 ; v1(272.64,527.56) 276.43,527.56 287.59,538.72 288.23,538.72 298.12,548.62 298.12,587.68 318.43,608 318.43,609.44 321.85,612.86 U2.2
NetBT_1: BT.1 D9.C DS3231M.6 | length 2140.6
  Top Layer w9: v1(-659.45,655.51) -659.45,751.97 -660.43,752.95 -577.76,835.63 532.48,835.63 601.38,766.73 v1(601.38,360.24)
  Bottom Layer w7: D9.C 497.09,253.74 604.14,253.74 618.58,268.19 BT.1
  Bottom Layer w9: v1(-659.45,655.51) -635.22,631.28 DS3231M.6 ; v1(601.38,360.24) 618.58,343.03 BT.1
NetC4_2: C4.2 RT9193.4 | length 107.2
  Bottom Layer w7: RT9193.4@519.74,-151.85 553.14,-151.85 565.77,-164.48 C4.2
NetC6_2: C6.2 U2.1 | length 61.4
  Bottom Layer w6: C6.2 337.59,577.75 U2.1
NetC8_2: C8.2 U2.3 | length 71.2
  Bottom Layer w6: C8.2 269.68,574.8 306.1,611.22 U2.3
NetC9_1: C9.1 U2.8 | length 69.7
  Bottom Layer w6: C9.1 212.6,779.44 243.11,748.92 U2.8
NetC9_2: C9.2 MIC1.1 R1.1 | length 271.2
  Bottom Layer w7: MIC1.1 183.07,867.13 C9.2 240.16,839.57 295.28,839.57 R1.1
NetC10_1: C10.1 U2.12 | length 80.6
  Bottom Layer w6: C10.1 280.37,796.26 298.1,778.53 298.1,778.18 302.79,773.5 303.14,773.5 306.1,770.53 U2.12
NetC23_2: C23.2 U3.20 | length 65.8
  Bottom Layer w6: C23.2 -96.47,555.29 U3.20
NetC24_2: C24.2 U3.10 | length 76
  Bottom Layer w8: U3.10 -116.15,790.52 C24.2
NetD3_A: D3.A L2.1 MT3608.1 | length 419.8
  Bottom Layer w10: MT3608.1 -653.21,-288.05 -637.8,-272.64 ; L2.1 -637.8,-132.41 -637.8,-272.64 ; D3.A -526.57,-327.76 -616.14,-327.76 -637.8,-306.1 -637.8,-272.64
NetMT3608_3: MT3608.3 RB.2 RS.2 | length 317.4
  Bottom Layer w7: RB.2 -725.33,-28.38 -725.33,-194.5 -706.59,-213.25 MT3608.3
  Bottom Layer w9: RB.2 RS.2
NetOLED_5: OLED.5 R3.2 | length 281
  Bottom Layer w6: R3.2 -481.3,126 -460.63,146.67 -276.6,146.67 -255.91,125.98 OLED.5
NetOLED_6: OLED.6 R2.2 | length 445.7
  Bottom Layer w6: R2.2 -580.52,157.67 -266.93,157.67 -236.22,126.97 OLED.6
NetOLED_7: OLED.7 R2.1 | length 547.1
  Bottom Layer w6: R2.1 -640.38,168.67 -255.29,168.67 -216.54,129.92 OLED.7
NetPW_2: PW.2 R4.2 | length 66.8
  Bottom Layer w6: R4.2 329.41,431.47 PW.2
NetR1_2: R1.2 R6.1 U2.13 | length 525.4
  Bottom Layer w6: U2.13 321.85,795.28 R1.2 323.82,820.87 340.55,837.6 391.73,837.6 408.46,820.87 408.46,519.68 384.84,496.06 R6.1@375,496.06
NetR6_2: R6.2 R8.2 U2.14 | length 266.9
  Bottom Layer w6: R8.2 337.59,755.9 U2.14 379.92,696.85 R6.2
NetR7_2: R7.2 SYS.2 | length 66.4
  Bottom Layer w6: R7.2 392.58,300.57 SYS.2
NetR9_2: R9.2 U3.9 | length 73.8
  Bottom Layer w8: R9.2 -135.84,795.29 U3.9
NetR13_1: R13.1 U4.6 | length 165.7
  Bottom Layer w6: R13.1 594.49,118.77 594.49,20.67 611.22,3.94 U4.6
NRST: C20.1 R5.2 U1.7 | length 407.2
  Top Layer w6: v1(-70.02,332.54) v1(47.24,332.54)
  Bottom Layer w6: v1(47.24,332.54) 187.86,332.54 R5.2 217.69,362.38 C20.1
  Bottom Layer w8: U1.7@-121.37,332.54 v1(-70.02,332.54)
OLEDCS: OLED.26 U1.14 | length 406.2
  Bottom Layer w7: U1.14@-168.57,206.54 -168.57,187.63 -154.35,173.42 123.83,173.42 157.48,139.76 OLED.26
OLEDDC: OLED.25 U1.13 | length 355.6
  Top Layer w7: v1(-120.08,200.79) -94.49,175.2 91.54,175.2 v1(113.19,153.54)
  Bottom Layer w7: U1.13@-148.87,192.17 U1.13@-148.87,206.54 ; -143.11,200.79 v1(-120.08,200.79) ; v1(113.19,153.54) 137.8,128.94 OLED.25
OLEDRST: OLED.29 U1.12 | length 431
  Bottom Layer w7: U1.12@-121.37,234.04 -102.15,234.04 -53.53,185.42 192.54,185.42 216.54,161.42 OLED.29
OLEDSCK: OLED.16 U1.15 | length 227.5
  Bottom Layer w7: U1.15@-188.27,206.54 -188.27,183.35 -166.34,161.42 -67.91,161.42 -39.37,132.87 OLED.16
OLEDSDA: OLED.17 U1.17 | length 295.2
  Top Layer w7: v1(-208.66,161.42) -36.42,161.42 v1(-19.69,144.69)
  Bottom Layer w7: U1.17@-227.67,206.54 -227.67,180.42 v1(-208.66,161.42) ; OLED.17 v1(-19.69,144.69)
OLEDVPP: C7.1 C11.1 C12.1 D3.C OLED.3 OLED.33 RB.1 | length 1591.6
  Bottom Layer w7: RB.1 -621.89,-11.97 -605.31,-28.54 -513.41,-28.54 C7.1
  Bottom Layer w10: D3.C -480.06,-212.34 -465.24,-197.52 -465.24,-11.24 C7.1 C11.1 -302.03,59.19 ; OLED.3 -295.28,65.95 -302.03,59.19 ; C12.1 295.28,206.69 OLED.33 295.28,49.06 273.62,27.4 273.62,-10.35 238.7,-45.28 -197.56,-45.28 -302.03,59.19
OSC32-IN: U1.3
OSC32-OUT: U1.4
OSC-IN: C2.2 U1.5 X1.1 | length 236.2
  Bottom Layer w7: U1.5@-121.37,371.84 -14.75,371.84 -12.8,369.89 77.57,369.89 X1.1
OSC-OUT: C18.2 U1.6 X1.2 | length 246.2
  Bottom Layer w7: U1.6@-121.37,352.14 -47.03,352.14 C18.2 47.24,299.21 X1.2@86.61,259.84
OUT: U1.10 U2.6 | length 654.6
  Top Layer w7: v1(-83.66,272.64) -55.12,301.18 104.33,301.18 152.56,349.41 152.56,473.43 v1(162.4,483.27)
  Bottom Layer w6: v1(162.4,483.27) 162.4,569.88 193.77,601.25 251.84,601.25 258.85,608.26 U2.6
  Bottom Layer w7: U1.10@-121.37,273.44 v1@-84.47,273.44
PA1: U1.11
PA6: U1.16
PA8: U1.29
PA9: CH340E.9 U1.30 | length 538.2
  Bottom Layer w7: CH340E.9 -674.21,174.21 -686.82,161.61 -712.79,161.61 -723.43,172.24 -723.43,267.72 -658.6,332.54 U1.30@-392.97,332.54
PA10: CH340E.8 U1.31 | length 610.7
  Bottom Layer w7: CH340E.8 -654.53,174.21 -679.13,149.61 -726.18,149.61 -735.24,158.66 -735.24,167.08 -735.43,167.27 -735.43,272.69 -655.97,352.14 U1.31@-392.97,352.14
PA15: U1.38
PB0: U1.18
PB1: U1.19
PB2: U1.20
PB6: SW1.2 U1.42 | length 555
  Bottom Layer w6: SW1.2 -292.32,822.83 -266.97,797.48 U1.42@-266.97,478.14
PB7: SW2.2 U1.43 | length 1202.5
  Bottom Layer w6: U1.43@-247.37,478.14 -247.37,903.22 -227.54,923.06 380.09,923.06 SW2.2
PB10: U1.21
PB12: MT3608.4 U1.25 | length 563.5
  Top Layer w6: v1(-485.24,-40.35) -485.24,180.12 v1(-431.1,234.25)
  Bottom Layer w6: MT3608.4 -539.96,-213.25 -485.24,-158.52 v1(-485.24,-40.35) ; v1(-431.1,234.25) -430.89,234.04 U1.25@-392.97,234.04
PB13: U1.26
PB14: U1.27
PB15: U1.28
PC13: R7.1 U1.2 | length 718.3
  Top Layer w6: v1@-84.47,433.07 -112.2,405.33 -112.2,273.62 -31.5,192.91 v1(327.76,192.91)
  Bottom Layer w6: U1.2@-121.37,430.94 -85,430.94 v1(-84.47,431.47) ; R7.1 327.55,193.12 v1(327.76,192.91)
SWCLK: SWD.1 U1.37 | length 170.9
  Bottom Layer w7: SWD.1 -533.26,478.14 U1.37@-365.47,478.14
SWDIO: SWD.2 U1.34 | length 230.1
  Bottom Layer w7: SWD.2 -549.21,435.04 -473.6,435.04 -449.8,411.24 U1.34@-392.97,411.24
VCAP1: C14.1 U1.22 | length 196.9
  Bottom Layer w6: C14.1 -466.05,179.67 -335.63,179.67 -326.07,189.24 U1.22@-326.07,206.54 ; U1.22@-328.04,206.54 U1.22@-328.04,219.34
XCL: U3.7
XDA: U3.6
pads on no net: CH340E.4 CH340E.5 CH340E.6 DS3231M.1 DS3231M.4 MT3608.6 OLED.0 OLED.1 OLED.9 OLED.10 OLED.11 OLED.12 OLED.13 OLED.35 SW1. SW2. U3.2 U3.3 U3.4 U3.5 U3.14 U3.15 U3.16 U3.17 U3.19 U3.21 U3.22 U3.25 U4.5 USB.0 USB.A5 USB.A8 USB.B5 USB.B8

## Polygon pours and split planes (outlines as drawn)
GND on Top Layer "Top Layer-No Net" (solid, remove dead copper, pour order 12): -770.61,931.04 758.8,931.04 758.8,-362.14 -770.61,-362.14
GND on Bottom Layer "Top Layer-No Net" (solid, remove dead copper, pour order 10): -1071.72,1086.98 -1034.32,1124.38 978.47,1124.38 978.47,-146.29 608.4,-516.37 594.62,-502.59 -1273.49,-502.59

## Keep-outs
Keep-Out Layer:
  lines w6: -773.62,-365.16 761.81,-365.16 761.81,934.06 -773.62,934.06 -773.62,-365.16

## Other copper
Bottom Layer:
  rectangle net GND: -566.93,187.99 -538.39,269.34
  rectangle net GND: 253.94,420.66 287.4,507.87
  rectangle net GND: 199.87,479.33 285.43,507.96
  rectangle net OLEDVPP: -495.08,-11.81 -460.27,76.77

## Silkscreen, mask and mechanical layers (free items; w line width, h text height)
Top Overlay:
  text "E" at -255.91,125.98 h1200
  text "K" at -475.05,-196.35 h1600
Bottom Overlay:
  text "0xD0" at -267.72,833.66 h70.87
  text "0xD2" at 205.71,743.11 h70.87 r90
  text "G" at -691.93,462.6 h57.09
  text "VCC" at 722.44,141.28 h57.09 r90
  text "G" at 726.5,-165.35 h57.09 r90
  text "Thunder-Refix" at 274.61,-305.12 h78.74
  text "V02" at -253.94,-306.1 h70.87

## Text inside footprints (layer, text, board x,y; h text height)
BT: Bottom Overlay "+" at 654.72,315.39 h59.05 r180